# Altium PCB RFSOC_SAWG.PcbDoc (part 8 of 15) (continued)
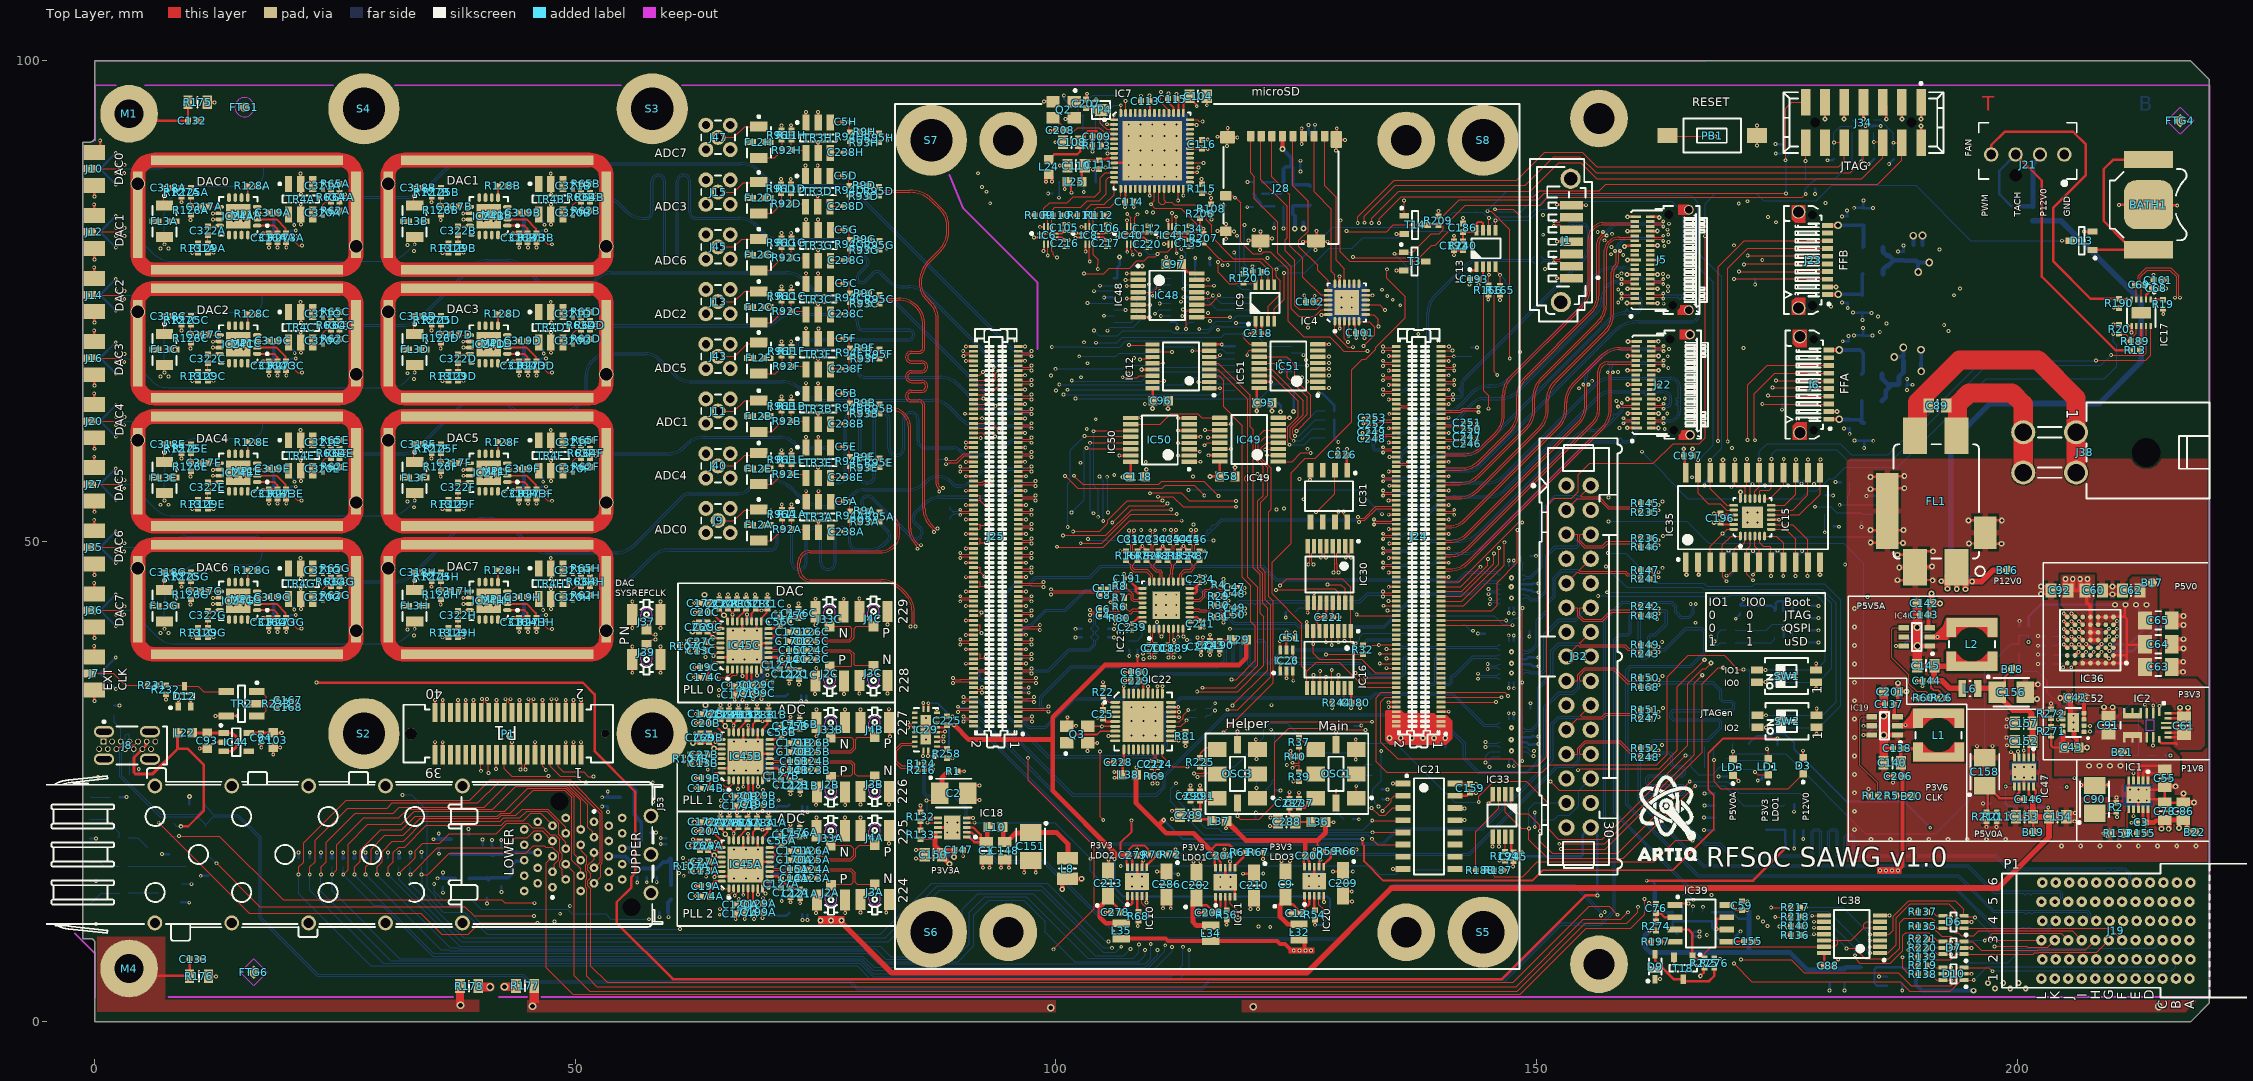
[diagram p0: Top Layer view]
## Nets (pads, with @x,y where several pads share a name; then routed paths per layer and width w, separated by ;. In a path a pad name is that pad's centre, name@x,y a point inside that pad or via, vN(x,y) a via of type N, cw(c..) or ccw(c..) an arc to the next point about the centre after c; other vN are vias at no path point) (continued)
  Mid-Layer 3 w0.127: v1(115.825,73.775) 116.475,73.775 116.687,73.987 118.922,73.987 118.938,73.971 119.262,73.971 119.566,74.275 122.677,74.275 123.797,73.155 127.88,73.155 128.053,73.328 143.022,73.328 144.35,72 164.975,72 165.285,71.69 165.285,71.239 165.723,70.8 173.5,70.8 174.534,69.766 174.534,66.015 v1(174.55,66)
  Mid-Layer 6 w0.127: v1(115.521,61.584) 115.475,61.63 115.475,73.374 115.825,73.724 v1(115.825,73.775)
FFA_MPRS: IC49.13 J6.3 R191.2 | length 109.5
  Top Layer w0.127: v1(115.474,59.997) 115.52,59.997 115.773,60.25 IC49.13@117.05,60.25 ; v1(173.5,64.275) 180.392,64.275 J6.3@180.411,64.295
  Mid-Layer 3 w0.127: v1(117.35,78.725) 117.709,78.366 118.6,78.366 119.035,78.801 119.721,78.801 120.288,78.234 121.361,78.234 121.82,78.694 138.041,78.694 138.128,78.606 143.531,78.606 145.275,80.35 145.85,80.35 148.129,82.629 148.129,84.029 150.108,86.008 154.658,86.008 154.85,86.2 166.666,86.2 169.875,82.991 169.875,80.923 171.023,79.775 171.518,79.279 v1(173.5,79.279)
  Mid-Layer 6 w0.127: v1(115.474,59.997) 115.503,60.026 115.901,60.026 116.44,60.565 116.44,73.84 117.35,74.75 v1(117.35,78.725) ; v1(173.5,64.275) v1(173.5,79.279)
  Bottom Layer w0.127: v1(173.5,64.275) R191.2@174.63,64.275
FFA_MSEL: IC34.15 J6.4 | length 100.1
  Top Layer w0.127: v1(174.075,65.175) 174.149,65.175 174.229,65.095 J6.4@180.411,65.095
  Mid-Layer 3 w0.127: v1(113.05,80.425) 113.086,80.425 113.261,80.25 115.55,80.25 115.99,80.69 124.29,80.69 124.384,80.784 142.359,80.784 143.55,81.975 145.775,81.975 147.179,83.379 147.179,87.854 148.825,89.5 165.954,89.5 171.704,83.75 v1(174.075,83.75)
  Mid-Layer 6 w0.127: v1(174.075,65.175) v1(174.075,83.75)
  Bottom Layer w0.127: v1(113.05,80.425) 113.525,79.95 113.525,78.461 113.211,78.147 113.211,76.776 113.285,76.702 IC34.15@114.4,76.702
FFA_RSTL: IC34.3 J6.6 | length 92.6
  Top Layer w0.127: v1(174.925,66.725) 180.381,66.725 J6.6@180.411,66.695
  Mid-Layer 3 w0.127: v1(118.55,80.05) 120.948,80.05 121.123,79.875 128.25,79.875 128.725,80.35 143.325,80.35 144.55,81.575 145.975,81.575 147.433,83.033 147.433,87.508 149.125,89.2 165.35,89.2 171.375,83.175 v1@174.925,83.175
  Mid-Layer 6 w0.127: v1(174.925,66.725) v1(174.925,83.2)
  Bottom Layer w0.127: v1(118.55,80.05) 118.55,80.014 118.725,79.839 118.725,76.825 119.337,76.213 120.139,76.213 IC34.3@120.3,76.052
FFA_SCL: IC15.4 IC35.7 J6.8 R44.1 | length 35.6
  Top Layer w0.127: v1(171.975,60.55) 171.975,66.275 173.995,68.295 J6.8@180.411,68.295 ; v1(172.53,46.525) 173.165,47.16 IC35.7@173.165,47.825 173.165,49.035 172.725,49.475 IC15.4@172.725,50.55
  Mid-Layer 6 w0.127: v1(171.975,60.55) 171.53,60.105 171.53,56.57 171.665,56.434 171.665,54.334 171.125,53.793 171.125,47.93 v1(172.53,46.525)
  Bottom Layer w0.127: v1(172.53,46.525) 172.582,46.577 172.582,46.772 172.919,47.109 172.919,47.129 173.145,47.355 R44.1@173.165,47.355
FFA_SDA: IC15.3 IC35.6 J6.7 R43.1 | length 35.3
  Top Layer w0.127: IC15.3@172.225,50.55 172.225,49.525 171.895,49.195 IC35.6@171.895,47.825 171.895,46.58 v1(172.525,45.95) ; v1(172.725,60.521) 172.675,60.57 172.675,65.375 174.795,67.495 J6.7@180.411,67.495
  Mid-Layer 6 w0.127: v1(172.525,45.95) 172.92,46.345 172.92,46.363 ; v1(172.725,60.521) 172.675,60.471 172.675,57.125 172.9,56.9 172.9,54.125 172.532,53.757 172.532,49.668 172.92,49.28 172.92,46.687 ; 172.921,46.363 172.921,46.687
  Bottom Layer w0.127: R43.1@171.87,47.36 171.87,46.605 v1(172.525,45.95)
FFA_VCCRXA: C74.2 C75.2 J6.10 L5.2 | length 6
  Top Layer w0.4: J6.10@180.396,69.88 J6.10@180.411,69.895 181.495,69.895 v7(181.51,69.91)
  Bottom Layer w0.4: v7(181.51,69.91) 183.69,69.91 C74.2@184,69.6 184,67.55 L5.2@183.85,67.4
FFA_VCCTXA: C72.1 C73.1 J6.1 L4.2 | length 6.3
  Top Layer w0.4: J6.1@180.396,62.68 J6.1@180.411,62.695 181.495,62.695 v7(181.51,62.71)
  Bottom Layer w0.4: v7(181.51,62.71) 181.54,62.68 182.57,62.68 C73.1@182.6,62.65 183.575,62.65 183.925,62.3 C72.1@184.1,62.3 183.85,62.55 L4.2@183.85,64.6
FFB_INTL: IC49.12 J23.5 | length 88.6
  Top Layer w0.127: v1(115.816,60.804) 115.864,60.852 117.002,60.852 IC49.12@117.05,60.9 ; v1(171.585,78.815) 171.658,78.815 171.713,78.87 J23.5@180.286,78.87
  Mid-Layer 3 w0.127: v1(116.05,72.934) 116.61,72.934 117.392,73.717 120.035,73.717 120.977,72.775 128.025,72.775 128.25,73 142.175,73 143.429,71.746 164.529,71.746 164.95,71.325 164.95,71.025 165.85,70.125 v1@171.55,70.125
  Mid-Layer 6 w0.127: v1(115.816,60.804) 115.816,61.327 116.05,61.562 v1(116.05,72.934) ; v1(171.55,70.1) 171.567,70.117 171.567,78.798 v1(171.585,78.815)
FFB_MPRS: IC49.14 J23.3 R23.2 | length 96.7
  Top Layer w0.127: IC49.14@117.05,59.6 v1(118.227,59.6) ; v1(170.55,77.3) 180.256,77.3 J23.3@180.286,77.27
  Mid-Layer 3 w0.127: v1(117.876,78.757) 118.175,79.055 143.13,79.055 145.075,81 145.925,81 147.875,82.95 147.875,84.3 149.929,86.354 154.359,86.354 156.23,88.225 165,88.225 170.55,82.675 v1(170.55,80.8)
  Mid-Layer 6 w0.127: v1(117.876,78.757) 117.876,74.076 117.65,73.85 117.65,61.7 118.227,61.123 v1(118.227,59.6) ; v1(170.55,77.3) v1(170.55,80.8)
  Bottom Layer w0.127: v1(170.55,77.3) 171.799,77.3 R23.2@171.801,77.299
FFB_MSEL: IC34.2 J23.4 | length 82.7
  Top Layer w0.127: v1(171.075,78.075) 180.281,78.075 J23.4@180.286,78.07
  Mid-Layer 3 w0.127: v1(118.834,81.794) 121.844,81.794 121.941,81.89 130.383,81.89 130.643,82.15 135.072,82.15 135.343,82.421 137.918,82.421 137.922,82.425 145.737,82.425 146.925,83.612 146.925,88.275 148.45,89.8 166.409,89.8 v1(171.05,85.159)
  Mid-Layer 6 w0.127: v1(171.05,85.159) 171.063,85.147 171.063,78.087 v1(171.075,78.075)
  Bottom Layer w0.127: v1(118.834,81.794) 119.131,81.497 119.131,77.027 119.434,76.724 120.277,76.724 IC34.2@120.3,76.702
FFB_RSTL: IC34.1 J23.6 | length 80.4
  Top Layer w0.127: v1(171.977,79.725) 180.232,79.725 J23.6@180.286,79.67
  Mid-Layer 3 w0.127: v1(119.625,82.925) 122.473,82.925 122.577,83.029 127.161,83.029 127.515,82.675 137.813,82.675 138.063,82.925 145.83,82.925 146.425,83.52 146.425,88.625 147.911,90.111 167.248,90.111 v1(171.975,85.385)
  Mid-Layer 6 w0.127: v1(171.975,85.385) 171.976,85.383 171.976,79.726 v1(171.977,79.725)
  Bottom Layer w0.127: v1(119.625,82.925) 119.615,82.915 119.615,78.907 120.277,78.246 120.277,77.375 IC34.1@120.3,77.352
FFB_SCL: IC15.2 IC35.5 J23.8 R42.1 | length 51.8
  Top Layer w0.127: v1(168.9,60.425) 168.9,78.55 171.62,81.27 J23.8@180.286,81.27 ; v1(169.775,46.425) 169.919,46.425 170.625,47.131 IC35.5@170.625,47.825 170.6,47.85 170.6,49.2 171,49.6 171.4,49.6 171.692,49.892 171.692,50.517 IC15.2@171.725,50.55
  Mid-Layer 6 w0.127: v1(168.9,60.425) 168.9,53.069 168.912,53.057 168.912,52.693 168.9,52.681 168.9,52.169 168.912,52.157 168.912,51.793 168.9,51.781 168.9,47.3 v1(169.775,46.425)
  Bottom Layer w0.127: v1(169.775,46.425) 170.175,46.425 170.6,46.85 170.6,47.33 R42.1@170.625,47.355
FFB_SDA: IC15.1 IC35.4 J23.7 R33.1 | length 52.2
  Top Layer w0.127: v1(169.775,45.85) 169.375,46.25 169.375,47.805 IC35.4@169.355,47.825 169.355,49.655 170.25,50.55 IC15.1@171.225,50.55 ; v1(169.9,60.4) 169.9,78.4 171.97,80.47 J23.7@180.286,80.47
  Mid-Layer 6 w0.127: v1(169.775,45.85) 170.45,46.525 170.45,54.4 169.9,54.95 v1(169.9,60.4)
  Bottom Layer w0.127: R33.1@169.355,47.355 169.3,47.3 169.325,47.275 169.325,46.3 v1(169.775,45.85)
FFB_VCCRXA: C83.2 C84.2 J23.10 L12.2 | length 6.1
  Top Layer w0.4: J23.10@180.286,82.87 181.37,82.87 v7(181.385,82.885)
  Bottom Layer w0.4: v7(181.385,82.885) 184.015,82.885 C83.2@184.025,82.875 184.025,80.675 L12.2@183.95,80.6
FFB_VCCTXA: C81.1 C82.1 J23.1 L7.2 | length 5.9
  Top Layer w0.4: J23.1@180.286,75.67 181.37,75.67 v7(181.4,75.7)
  Bottom Layer w0.4: v7(181.4,75.7) 183.8,75.7 C81.1@183.9,75.6 183.9,77.75 L7.2@183.95,77.8
FPGA_UART_RX: IC41.4 J25.140 TP6.1 | length 36.1
  Top Layer w0.127: J25.140@91.415,65.272 93.122,65.272 94.1,66.25 v1(94.1,67.1) ; v1(102.925,77.85) 105,77.85 105.575,78.425 107.675,78.425 108.425,79.175 109.174,79.175 109.586,79.588 110.335,79.588 110.877,80.13 111.615,80.13 112.1,80.614 IC41.4@112.1,80.925
  Mid-Layer 3 w0.127: v1(94.1,67.1) 95.325,68.325 95.325,69.351 96.684,70.71 v1(102.909,70.71)
  Mid-Layer 6 w0.127: v1(102.909,70.71) v1@102.909,77.85
  Bottom Layer w0.127: TP6.1@108.6,81.95 108.575,81.925 108.575,80.975 109.662,79.888 v1(110.588,79.888)
GA0: IC51.3 R217.1 | length 133.9
  Top Layer w0.127: IC51.3@127.25,67.25 v1(128.427,67.25) ; v1(174.425,11.9) 176.455,11.9 R217.1@176.48,11.925
  Mid-Layer 3 w0.127: v1(133.925,76.175) 141.8,76.175 142.175,75.8 148.725,75.8 150.979,73.546 164.846,73.546 165.159,73.859 165.159,74.336 165.275,74.452 165.275,74.6 165.575,74.9 173.375,74.9 173.8,75.325 179.75,75.325 v1(180.65,74.425)
  Mid-Layer 6 w0.127: v1(128.427,67.25) 126.925,68.752 126.925,72.025 128.389,73.489 128.389,73.864 129.375,74.85 131.125,74.85 132.45,76.175 v1(133.925,76.175) ; v1(174.425,11.9) 174.425,13.7 172.15,15.975 172.15,32.775 177.9,38.525 177.9,45.025 178.625,45.75 178.625,47.858 180.484,49.717 180.484,69.025 180.65,69.191 v1(180.65,74.425)
GA1: IC51.4 R218.1 | length 136.6
  Top Layer w0.127: IC51.4@127.25,67.9 127.262,67.913 128.413,67.913 v1(128.425,67.925) ; v1(174.85,10.9) 176.422,10.9 R218.1@176.48,10.958
  Mid-Layer 3 w0.127: v1(134.475,75.525) 143.825,75.525 144.675,74.675 148.55,74.675 149.933,73.292 177.558,73.292 177.67,73.405 184.577,73.405 184.599,73.382 185.532,73.382 v1(185.55,73.4)
  Mid-Layer 6 w0.127: v1(128.425,67.925) 127.25,69.1 127.25,71.575 129.375,73.7 131.925,73.7 133.75,75.525 v1(134.475,75.525) ; v1(174.85,10.9) 174.85,14.175 173.5,15.525 173.5,27 172.675,27.825 172.675,32.25 178.3,37.875 178.3,44.7 178.7,45.1 178.7,45.466 179.025,45.791 179.025,47.625 182.067,50.667 182.067,57.115 184.49,59.538 184.49,59.862 184.49,71.965 185.535,73.01 185.535,73.385 v1(185.55,73.4)
GA2: IC51.5 R136.1 | length 135.5
  Top Layer w0.127: IC51.5@127.25,68.55 v1(128.427,68.55) ; v1(175.775,9) 176.455,9 R136.1@176.48,9.025
  Mid-Layer 3 w0.127: v1(135.05,75.135) 143.856,75.135 144.57,74.421 147.229,74.421 148.612,73.038 181.912,73.038 182.326,72.624 186.399,72.624 v1(186.425,72.65)
  Mid-Layer 6 w0.127: v1(128.427,68.55) 127.625,69.352 127.625,71.4 129.475,73.25 132.05,73.25 133.934,75.135 v1(135.05,75.135) ; v1(175.775,9) 175.775,14.7 174.575,15.9 174.575,32.1 179.85,37.375 179.85,45.125 180.325,45.6 180.325,47.5 183.025,50.2 183.025,52.05 185.75,54.775 185.75,56.175 186.425,56.85 v1(186.425,72.65)
GA3: IC51.6 R140.1 | length 132.5
  Top Layer w0.127: IC51.6@127.25,69.2 127.262,69.213 128.388,69.213 v1(128.4,69.225) ; v1(175.275,9.925) 176.413,9.925 R140.1@176.48,9.992
  Mid-Layer 3 w0.127: v1(135.825,74.56) 143.915,74.56 144.5,73.975 146.125,73.975 147.32,72.78 149.72,72.78 149.725,72.775 181,72.775 181.75,72.025 183.56,72.025 183.794,71.791 185.709,71.791 v1(185.725,71.775)
  Mid-Layer 6 w0.127: v1(128.4,69.225) 127.95,69.675 127.95,71.225 129.5,72.775 132.25,72.775 134.035,74.56 v1(135.825,74.56) ; v1(175.275,9.925) 175.275,14.475 174.05,15.7 174.05,27.536 173.493,28.093 173.493,32.218 178.775,37.5 178.775,44.6 179.975,45.8 179.975,47.8 182.525,50.35 182.525,56.2 185.725,59.4 v1(185.725,71.775)
GND: BATH1.2 C1.2 C2.2 C3.1 C9.2 C12.1 C16A.1 C16B.1 C16C.1 C17A.1 C17B.1 C17C.1 C18A.1 C18B.1 C18C.1 C19A.1 C19B.1 C19C.1 C20A.1 C20B.1 C20C.1 C21A.1 C21B.1 C21C.1 C22A.1 C22B.1 C22C.1 C23A.1 C23B.1 C23C.1 C24A.1 C24B.1 C24C.1 C25.1 C26A.1 C26B.1 C26C.1 C28A.1 C28B.1 C28C.1 C29A.1 C29B.1 C29C.1 C30A.1 C30B.1 C30C.1 C36.1 C37.1 C40.1 C41.1 C42.2 C43.2 C51.1 C53.1 C55.2 C56A.1 C56B.1 C56C.1 C58.1 C59.1 C60.1 C61.1 C62.1 C63.2 C64.2 C65.2 C66.2 C68.2 C70.2 C71.2 C72.2 C73.2 C74.1 C75.1 C76.1 C77.1 C78.2 C79.2 C80.2 C81.2 C82.2 C83.1 C84.1 C85.1 C86.2 C87.1 C88.1 C90.2 C91.1 C92.1 C93.1 C94.1 C95.1 C96.1 C97.1 C98.1 C99.2 C100.1 C101.2 C102.2 C103.1 C104.1 C105.1 C106.1 C107.1 C108.1 C109.1 C110.1 C111.1 C112.1 C113.1 C114.1 C115.1 C116.1 C117.1 C118.1 C119.1 C120A.1 C120B.1 C120C.1 C121A.1 C121B.1 C121C.1 C122A.1 C122B.1 C122C.1 C127A.1 C127B.1 C127C.1 C128A.1 C128B.1 C128C.1 C129A.1 C129B.1 C129C.1 C130A.1 C130B.1 C130C.1 C131A.1 C131B.1 C131C.1 C132.2 C133.2 C134.1 C135.1 C137.1 C138.1 C139A.1 C139B.1 C139C.1 C140.1 C142.1 C143.1 C144.1 C145.1 C146.1 C147.1 C148.2 C149.2 C150.2 C151.2 C152.2 C153.2 C154.2 C155.1 C156.2 C157.1 C158.2 C159.1 C160.1 C161.1 C172A.1 C172B.1 C172C.1 C173A.1 C173B.1 C173C.1 C174A.1 C174B.1 C174C.1 C175A.1 C175B.1 C175C.1 C176A.1 C176B.1 C176C.1 C177A.1 C177B.1 C177C.1 C178.1 C179.1 C180.1 C181.1 C182.1 C183.1 C184.1 C185.1 C186.1 C187.1 C190.1 C191.1 C192.1 C193.1 C196.1 C197.1 C198.1 C199A.1 C199B.1 C199C.1 C200.1 C201.1 C202.2 C203.1 C204.1 C206.1 C207.1 C208.1 C209.2 C210.2 C213.2 C215.1 C216.1 C217.1 C218.1 C219.1 C220.1 C221.1 C222.1 C223.1 C224.1 C225.1 C226.1 C228.1 C229.1 C234.1 C237.1 C239.1 C241.1 C242.1 C243.1 C245.1 C258.1 C259.1 C260.1 C261.1 C262.1 C263.1 C264.1 C265.1 C278.1 C279.1 C286.2 C287.1 C288.1 C289.1 C290.1 C291.1 C314A.2 C314B.2 C314C.2 C314D.2 C314E.2 C314F.2 C314G.2 C314H.2 C315A.1 C315B.1 C315C.1 C315D.1 C315E.1 C315F.1 C315G.1 C315H.1 C316A.1 C316B.1 C316C.1 C316D.1 C316E.1 C316F.1 C316G.1 C316H.1 C323.1 D4.1 D6.2 D7.2 D8.2 D10.2 D11.2 D12.1 D12.2 FL1.4 FL2A.2 FL2A.4 FL2B.2 FL2B.4 FL2C.2 FL2C.4 FL2D.2 FL2D.4 FL2E.2 FL2E.4 FL2F.2 FL2F.4 FL2G.2 FL2G.4 FL2H.2 FL2H.4 FL3A.2 FL3A.4 FL3B.2 FL3B.4 FL3C.2 FL3C.4 FL3D.2 FL3D.4 FL3E.2 FL3E.4 FL3F.2 FL3F.4 FL3G.2 FL3G.4 FL3H.2 FL3H.4 IC1.5 IC1.8 IC1.11 IC2.16 IC2.17 IC2.18 IC3.2 IC3.4 IC3.5 IC4.2 IC4.11 IC4.24 IC4.25 IC5.3 IC5.4 IC6.3 IC7.10 IC7.21 IC7.41 IC7.45 IC7.57 IC8.1 IC8.3 IC9.1 IC10.5 IC10.8 IC10.11 IC11.5 IC11.8 IC11.11 IC12.8 IC12.13 IC13.1 IC14.2 IC15.9 IC15.18 IC15.22 IC15.23 IC15.25 IC16.8 IC17.6 IC18.5 IC18.8 IC18.11 IC19.1 IC20.5 IC20.8 IC20.11 IC21.1 IC21.8 IC21.13 IC21.14 IC21.15 IC22.8 IC22.19 IC22.20 IC22.24 IC22.25 IC22.26 IC22.31 IC22.36 IC22.37 IC23.33 IC24A.10 IC24A.11 IC24A.17 IC24B.10 IC24B.11 IC24B.17 IC24C.10 IC24C.11 IC24C.17 IC24D.10 IC24D.11 IC24D.17 IC24E.10 IC24E.11 IC24E.17 IC24F.10 IC24F.11 IC24F.17 IC24G.10 IC24G.11 IC24G.17 IC24H.10 IC24H.11 IC24H.17 IC25.1 IC25.2 IC25.3 IC25.4 IC26.2 IC27.5 IC27.11 IC27.20 IC27.21 IC28.5 IC28.11 IC28.20 IC28.21 IC29.5 IC29.11 IC29.20 IC29.21 IC30.9 IC30.12 IC31.4 IC32.8 IC32.13 IC33.4 IC33.5 IC33.6 IC34.8 IC34.13 IC35.1 IC35.2 IC35.12 IC35.21 IC36.B2 IC36.B6 IC36.C3 IC36.C4 IC36.C5 IC36.C6 IC36.C7 IC36.D5 IC36.D6 IC36.D7 IC36.E5 IC36.E6 IC36.E7 IC36.F5 IC36.F6 IC36.F7 IC36.G6 IC36.G7 IC37.5 IC38.7 IC39.1 IC40.2 IC40.3 IC40.10 IC41.2 IC41.3 IC41.10 IC42.5 IC42.11 IC42.20 IC42.21 IC43.8 IC43.13 IC44.2 IC45A.8 IC45A.9 IC45A.13 IC45A.18 IC45A.21 IC45A.31 IC45A.33 IC45B.8 IC45B.9 IC45B.13 IC45B.18 IC45B.21 IC45B.31 IC45B.33 IC45C.8 IC45C.9 IC45C.13 IC45C.18 IC45C.21 IC45C.31 IC45C.33 IC46.1 IC47.5 IC47.8 IC47.11 IC48.8 IC48.15 IC49.8 IC49.15 IC50.6 IC50.8 IC50.15 IC51.8 IC51.15 IC52.5 IC52.6 IC52.9 IC53.2 J1.1 J1.4 J1.7 J2A.2 J2B.2 J2C.2 J3A.2 J3B.2 J3C.2 J4A.2 J4B.2 J4C.2 J5.A1 J5.A4 J5.A7 J5.A10 J5.A13 J5.A16 J5.A19 J5.B1 J5.B4 J5.B7 J5.B10 J5.B13 J5.B16 J5.B19 J5.G1 J5.G2 J6.2 J6.11 J6.12 J7.2 J8.1 J8.2 J8.3 J8.4 J8.A1 J8.A12 J8.B1 J8.B12 J9.2 J10.2 J11.2 J12.2 J13.2 J14.2 J15.2 J16.2 J19.A2 J19.A4 J19.A6 J19.C1 J19.C5 J19.D2 J19.D4 J19.D6 J19.F1 J19.F5 J19.G2 J19.G4 J19.G6 J19.I1 J19.I5 J19.J2 J19.J4 J19.J6 J19.L1 J19.L5 J20.2 J21.1 J22.A1 J22.A4 J22.A7 J22.A10 J22.A13 J22.A16 J22.A19 J22.B1 J22.B4 J22.B7 J22.B10 J22.B13 J22.B16 J22.B19 J22.G1 J22.G2 J23.2 J23.11 J23.12 J24.7 J24.10 J24.12 J24.60 J24.63 J24.66 J24.69 J24.72 J24.75 J24.78 J24.81 J24.84 J24.87 J24.90 J24.93 J24.96 J24.99 J24.102 J24.105 J24.108 J24.111 J24.114 J24.117 J24.120 J24.123 J24.126 J24.129 J24.132 J24.135 J24.138 J24.141 J24.144 J24.147 J24.150 J24.153 J24.156 J25.27 J25.28 J25.33 J25.34 J25.39 J25.40 J25.45 J25.46 J25.51 J25.52 J25.57 J25.58 J25.63 J25.64 J25.69 J25.70 J25.75 J25.76 J25.81 J25.82 J25.87 J25.88 J25.93 J25.94 J25.99 J25.100 J25.105 J25.106 J25.111 J25.112 J25.117 J25.118 J25.120 J25.123 J25.129 J25.135 J25.141 J25.147 J25.153 J25.154 J25.159 J25.160 J27.2 J28.6 J28.10 J28.G1 J28.G2 J28.G3 J28.G4 J32.1 J32.4 J32.7 J32.10 J32.13 J32.16 J32.19 J32.22 J32.25 J33A.2 J33B.2 J33C.2 J34.1 J34.3 J34.5 J34.7 J34.9 J34.11 J35.2 J36.2 J37.2 J39.2 J40.2 J43.2 J45.2 J47.2 J53.1 J53.2 J53.3 J53.4 J53.5 J53.6 J53.7 J53.8 J53.9 J53.10 J53.11 J53.12 J53.13 J53.L1 J53.L10 J53.L11 J53.L14 J53.L17 J53.L20 J53.T1 J53.T10 J53.T11 J53.T14 J53.T17 J53.T20 LD3.1 MP1A.1 MP1B.1 MP1C.1 MP1D.1 MP1E.1 MP1F.1 MP1G.1 MP1H.1 NT1.2 OSC1.3 OSC3.3 P1.12 P1.13 P1.18 P1.19 P1.24 P1.30 P1.37 P1.38 P1.39 P1.40 PB1.1 Q2.2 Q2.4 Q3.2 Q3.4 R1.1 R2.1 R4.2 R6.2 R7.2 R8.2 R10.1 R11A.2 R11B.2 R11C.2 R11D.2 R11E.2 R11F.2 R11G.2 R11H.2 R12.1 R15A.2 R15B.2 R15C.2 R16.2 R21.2 R24.2 R25.1 R29.2 R30.2 R31.2 R39.1 R40.1 R47.2 R48.2 R60.1 R66.1 R67.2 R71.1 R72.2 R76.1 R77.1 R78.1 R80.2 R81.1 R82.2 R85.2 R87.2 R90.1 R91.1 R96A.2 R96B.2 R96C.2 R96D.2 R96E.2 R96F.2 R96G.2 R96H.2 R99.2 R100.2 R113.1 R115.1 R120.1 R121.1 R122.1 R126A.1 R126B.1 R126C.1 R126D.1 R126E.1 R126F.1 R126G.1 R126H.1 R127A.1 R127B.1 R127C.1 R127D.1 R127E.1 R127F.1 R127G.1 R127H.1 R128A.1 R128B.1 R128C.1 R128D.1 R128E.1 R128F.1 R128G.1 R128H.1 R129A.2 R129B.2 R129C.2 R129D.2 R129E.2 R129F.2 R129G.2 R129H.2 R130.1 R131A.1 R131B.1 R131C.1 R131D.1 R131E.1 R131F.1 R131G.1 R131H.1 R132.1 R142.2 R143.2 R144.2 R153.1 R154.2 R171.1 R172.1 R175.2 R176.2 R177.2 R181.1 R183.1 R189.2 R194.1 R201.2 R210.1 R211.1 R212.1 R224.2 R232.2 R244.1 R255.2 R256.2 R258.2 R270.1 R272.1 R273A.1 R273B.1 R273C.1 R273D.1 R273E.1 R273F.1 R273G.1 R273H.1 R275.1 R287.1 R288.1 R293.1 R294.1 R295.1 SW1.1 SW1.2 SW2.1 SW2.2 T2.2 T3.2 T5.2 T11.2 T13.2 T14.2 T16.2 T18.2 T21.2 T22.2 T23.2 TP2.1 TR2.4 TR3A.1 TR3A.2 TR3A.5 TR3B.1 TR3B.2 TR3B.5 TR3C.1 TR3C.2 TR3C.5 TR3D.1 TR3D.2 TR3D.5 TR3E.1 TR3E.2 TR3E.5 TR3F.1 TR3F.2 TR3F.5 TR3G.1 TR3G.2 TR3G.5 TR3H.1 TR3H.2 TR3H.5 TR4A.2 TR4A.5 TR4B.2 TR4B.5 TR4C.2 TR4C.5 TR4D.2 TR4D.5 TR4E.2 TR4E.5 TR4F.2 TR4F.5 TR4G.2 TR4G.5 TR4H.2 TR4H.5 | length 881.6
  Top Layer w0.2: v1(9.006,45.277) 9.006,45.826 R127G.1@9.025,45.845 ; v1(9.006,58.612) 9.006,59.161 R127E.1@9.025,59.18 ; v1(9.006,71.947) 9.006,72.496 R127C.1@9.025,72.515 ; v1(9.006,85.282) 9.006,85.831 R127A.1@9.025,85.85 ; v1(9.956,43.411) 9.956,43.948 R126G.1@9.986,43.978 ; v1(9.956,56.746) 9.956,57.283 R126E.1@9.986,57.313 ; v1(9.956,70.081) 9.956,70.618 R126C.1@9.986,70.648 ; v1(9.956,83.416) 9.956,83.953 R126A.1@9.986,83.983 ; v1(10.147,40.012) 10.162,40.027 10.734,40.027 R131G.1@10.748,40.041 ; v1(10.147,53.347) 10.162,53.362 10.734,53.362 R131E.1@10.748,53.376 ; v1(10.147,66.682) 10.162,66.697 10.734,66.697 R131C.1@10.748,66.711 ; v1(10.147,80.017) 10.162,80.032 10.734,80.032 R131A.1@10.748,80.046 ; R129G.2@11.764,40.041 11.769,40.037 12.333,40.037 v1(12.338,40.032) ; R129E.2@11.764,53.376 11.769,53.372 12.333,53.372 v1(12.338,53.367) ; R129C.2@11.764,66.711 11.769,66.707 12.333,66.707 v1(12.338,66.702) ; R129A.2@11.764,80.046 11.769,80.042 12.333,80.042 v1(12.338,80.037) ; v1(12.303,44.102) 12.321,44.12 12.971,44.12 IC24G.10@12.989,44.138 ; v1(12.303,57.437) 12.321,57.455 12.971,57.455 IC24E.10@12.989,57.473 ; v1(12.303,70.772) 12.321,70.79 12.971,70.79 IC24C.10@12.989,70.808 ; v1(12.303,84.107) 12.321,84.125 12.971,84.125 IC24A.10@12.989,84.143 ; v1(12.314,43.492) 12.316,43.49 12.987,43.49 IC24G.11@12.989,43.488 ; v1(12.314,56.827) 12.316,56.825 12.987,56.825 IC24E.11@12.989,56.823 ; v1(12.314,70.162) 12.316,70.16 12.987,70.16 IC24C.11@12.989,70.158 ; v1(12.314,83.497) 12.316,83.495 12.987,83.495 IC24A.11@12.989,83.493 ; R128G.1@16.86,46.988 16.864,46.992 v1(17.423,46.992) ; R128E.1@16.86,60.323 16.864,60.327 v1(17.423,60.327) ; R128C.1@16.86,73.658 17.033,73.486 v1(17.533,73.486) ; R128A.1@16.86,86.993 16.86,86.973 17.05,86.783 17.526,86.783 v1(17.53,86.78) ; C316G.1@18.1,41.145 18.127,41.118 v1(18.127,40.581) ; C316E.1@18.1,54.48 18.127,54.453 v1(18.127,53.916) ; C316C.1@18.1,67.815 18.127,67.788 v1(18.127,67.251) ; C316A.1@18.1,81.15 18.127,81.123 v1(18.127,80.586) ; C314G.2@19,41.145 19.027,41.118 v1(19.027,40.581) ; C314E.2@19,54.48 19.027,54.453 v1(19.027,53.916) ; C314C.2@19,67.815 19.027,67.788 v1(19.027,67.251) ; C314A.2@19,81.15 19.027,81.123 v1(19.027,80.586) ; R273G.1@19.9,41.145 19.927,41.118 v1(19.927,40.581) ; R273E.1@19.9,54.48 19.927,54.453 v1(19.927,53.916) ; R273C.1@19.9,67.815 19.927,67.788 v1(19.927,67.251) ; R273A.1@19.9,81.15 19.927,81.123 v1(19.927,80.586) ; TR4G.2@21.39,47.208 TR4G.2@21.416,47.181 21.455,47.143 v1(21.455,46.12) ; TR4E.2@21.39,60.543 TR4E.2@21.416,60.516 21.455,60.478 v1(21.455,59.455) ; TR4C.2@21.39,73.878 TR4C.2@21.416,73.851 21.455,73.813 v1(21.455,72.79) ; TR4A.2@21.39,87.213 TR4A.2@21.416,87.186 21.455,87.148 v1(21.455,86.125) ; v1(21.408,48.252) 21.408,47.235 TR4G.2@21.435,47.208 ; v1(21.408,61.587) 21.408,60.57 TR4E.2@21.435,60.543 ; v1(21.408,74.922) 21.408,73.905 TR4C.2@21.435,73.878 ; v1(21.408,88.257) 21.408,87.24 TR4A.2@21.435,87.213 ; TR4G.5@21.416,44.001 21.443,43.975 v1(21.443,42.958) ; TR4E.5@21.416,57.336 21.443,57.31 v1(21.443,56.293) ; TR4C.5@21.416,70.671 21.443,70.645 v1(21.443,69.628) ; TR4A.5@21.416,84.006 21.443,83.98 v1(21.443,82.963) ; v1(21.427,45.05) 21.427,44.034 TR4G.5@21.453,44.007 ; v1(21.427,58.385) 21.427,57.369 TR4E.5@21.453,57.342 ; v1(21.427,71.72) 21.427,70.704 TR4C.5@21.453,70.677 ; v1(21.427,85.055) 21.427,84.039 TR4A.5@21.453,84.012 ; v1(35.041,45.277) 35.041,45.826 R127H.1@35.06,45.845 ; v1(35.041,58.612) 35.041,59.161 R127F.1@35.06,59.18 ; v1(35.041,71.947) 35.041,72.496 R127D.1@35.06,72.515 ; v1(35.041,85.282) 35.041,85.831 R127B.1@35.06,85.85 ; v1(35.991,43.411) 35.991,43.948 R126H.1@36.021,43.978 ; v1(35.991,56.746) 35.991,57.283 R126F.1@36.021,57.313 ; v1(35.991,70.081) 35.991,70.618 R126D.1@36.021,70.648 ; v1(35.991,83.416) 35.991,83.953 R126B.1@36.021,83.983 ; v1(36.182,40.012) 36.197,40.027 36.769,40.027 R131H.1@36.783,40.041 ; v1(36.182,53.347) 36.197,53.362 36.769,53.362 R131F.1@36.783,53.376 ; v1(36.182,66.682) 36.197,66.697 36.769,66.697 R131D.1@36.783,66.711 ; v1(36.182,80.017) 36.197,80.032 36.769,80.032 R131B.1@36.783,80.046 ; R129H.2@37.799,40.041 37.804,40.037 38.368,40.037 v1(38.373,40.032) ; R129F.2@37.799,53.376 37.804,53.372 38.368,53.372 v1(38.373,53.367) ; R129D.2@37.799,66.711 37.804,66.707 38.368,66.707 v1(38.373,66.702) ; R129B.2@37.799,80.046 37.804,80.042 38.368,80.042 v1(38.373,80.037) ; v1(38.338,44.102) 38.356,44.12 39.006,44.12 IC24H.10@39.024,44.138 ; v1(38.338,57.437) 38.356,57.455 39.006,57.455 IC24F.10@39.024,57.473 ; v1(38.338,70.772) 38.356,70.79 39.006,70.79 IC24D.10@39.024,70.808 ; v1(38.338,84.107) 38.356,84.125 39.006,84.125 IC24B.10@39.024,84.143 ; v1(38.349,43.492) 38.351,43.49 39.022,43.49 IC24H.11@39.024,43.488 ; v1(38.349,56.827) 38.351,56.825 39.022,56.825 IC24F.11@39.024,56.823 ; v1(38.349,70.162) 38.351,70.16 39.022,70.16 IC24D.11@39.024,70.158 ; v1(38.349,83.497) 38.351,83.495 39.022,83.495 IC24B.11@39.024,83.493 ; R128B.1@42.891,86.989 R128B.1@42.895,86.993 v1(43.454,86.993) ; R128H.1@42.895,46.988 42.899,46.992 v1(43.458,46.992) ; R128F.1@42.895,60.323 42.899,60.327 v1(43.458,60.327) ; R128D.1@42.895,73.658 42.899,73.662 v1(43.458,73.662) ; C316H.1@44.135,41.145 44.162,41.118 v1(44.162,40.581) ; C316F.1@44.135,54.48 44.162,54.453 v1(44.162,53.916) ; C316D.1@44.135,67.815 44.162,67.788 v1(44.162,67.251) ; C316B.1@44.135,81.15 44.162,81.123 v1(44.162,80.586) ; C314H.2@45.035,41.145 45.062,41.118 v1(45.062,40.581) ; C314F.2@45.035,54.48 45.062,54.453 v1(45.062,53.916) ; C314D.2@45.035,67.815 45.062,67.788 v1(45.062,67.251) ; C314B.2@45.035,81.15 45.062,81.123 v1(45.062,80.586) ; R273H.1@45.935,41.145 45.962,41.118 v1(45.962,40.581) ; R273F.1@45.935,54.48 45.962,54.453 v1(45.962,53.916) ; R273D.1@45.935,67.815 45.962,67.788 v1(45.962,67.251) ; R273B.1@45.935,81.15 45.962,81.123 v1(45.962,80.586) ; TR4H.2@47.425,47.208 TR4H.2@47.451,47.181 47.49,47.143 v1(47.49,46.12) ; TR4F.2@47.425,60.543 TR4F.2@47.451,60.516 47.49,60.478 v1(47.49,59.455) ; TR4D.2@47.425,73.878 TR4D.2@47.451,73.851 47.49,73.813 v1(47.49,72.79) ; TR4B.2@47.425,87.213 TR4B.2@47.451,87.186 47.49,87.148 v1(47.49,86.125) ; v1(47.443,48.252) 47.443,47.235 TR4H.2@47.47,47.208 ; v1(47.443,61.587) 47.443,60.57 TR4F.2@47.47,60.543 ; v1(47.443,74.922) 47.443,73.905 TR4D.2@47.47,73.878 ; v1(47.443,88.257) 47.443,87.24 TR4B.2@47.47,87.213 ; TR4H.5@47.451,44.001 47.478,43.975 v1(47.478,42.958) ; TR4F.5@47.451,57.336 47.478,57.31 v1(47.478,56.293) ; TR4D.5@47.451,70.671 47.478,70.645 v1(47.478,69.628) ; TR4B.5@47.451,84.006 47.478,83.98 v1(47.478,82.963) ; v1(47.462,45.05) 47.462,44.034 TR4H.5@47.488,44.007 ; v1(47.462,58.385) 47.462,57.369 TR4F.5@47.488,57.342 ; v1(47.462,71.72) 47.462,70.704 TR4D.5@47.488,70.677 ; v1(47.462,85.055) 47.462,84.039 TR4B.5@47.488,84.012 ; v1(86.173,27.65) 86.199,27.676 86.199,28.224 IC29.20@86.225,28.25 ; v1(86.199,33.175) 86.212,33.162 86.212,32.563 IC29.11@86.225,32.55 ; IC29.5@87.625,30.15 87.643,30.168 88.345,30.168 88.39,30.212 v1(88.444,30.212) ; C225.1@88.675,31.8 88.716,31.759 v1(89.227,31.759) ; R258.2@88.694,27.425 v1(89.225,27.425) ; v1(98.7,80.2) 98.7,80.254 98.775,80.329 IC6.3@98.775,80.925 ; C105.1@100.875,83 v1(101.3,83) ; C216.1@100.9,80.65 v1(101.325,80.65) ; v1(102.1,82.1) 102.154,82.1 102.229,82.025 IC8.1@102.833,82.025 ; IC8.3@103.083,80.925 103.083,80.167 v1(103.1,80.15) ; C217.1@105.2,80.65 v1(105.625,80.65) ; C106.1@105.2,82.95 v1(105.625,82.95) ; v1(106.4,81.6) 106.425,81.625 IC40.2@107.092,81.625 ; v1(107.17,36.377) 107.777,36.377 C160.1@107.8,36.4 ; v1(107.189,35.511) 107.789,35.511 C229.1@107.8,35.5 ; IC40.3@107.392,80.925 107.392,80.158 v1(107.425,80.125) ; IC40.10@107.392,82.725 107.392,83.392 v1(107.4,83.4) ; v1(108.1,84.8) C114.1@108.1,85.35 ; v1(109.426,12.426) 109.438,12.438 109.438,13.088 IC10.5@109.45,13.1 ; C220.1@109.5,80.55 v1(109.925,80.55) ; C112.1@109.5,82.85 v1(109.925,82.85) ; IC7.21@109.755,86.67 109.76,86.665 109.76,85.981 v1(109.765,85.976) ; v1(110.68,81.579) 110.735,81.579 110.781,81.625 IC41.2@111.4,81.625 ; v1(111.25,80.95) 111.7,80.95 IC41.3@111.7,80.925 ; v1(111.605,83.404) 111.605,83.35 111.7,83.255 IC41.10@111.7,82.725 ; v1(111.7,96.6) 111.7,96.05 C115.1@111.65,96 111.86,95.79 111.86,95.54 112.236,95.164 112.236,94.589 IC7.45@112.255,94.57 ; C135.1@113.8,80.65 v1(114.225,80.65) ; C134.1@113.8,82.85 v1(114.225,82.85) ; IC7.41@113.955,93.37 113.974,93.351 114.597,93.351 v1(114.625,93.323) ; IC48.15@114.65,77.225 v1(115.827,77.225) ; C242.1@115.103,38.682 115.106,38.679 v1(115.106,38.166) ; R115.1@115.182,87.163 v1@115.182,87.683 ; v1(115.7,95.375) C104.1@115.7,96.325 ; v1(116.048,38.181) 116.048,38.748 C243.1@116.05,38.75 ; v1(117.031,38.169) 117.031,38.731 C190.1@117.05,38.75 ; C51.1@124.85,39.946 124.867,39.963 v1(124.867,40.527)